# Altium PCB graviton.PcbDoc (part 14 of 15)
Units mm, origin at the board's own origin, x right, y up, seen from the top; angles counter-clockwise.
Board outline 200 x 200 mm, 10 copper layers (TOP, POLYGON1, S1, POLYGON2, POLYGON3, POLYGON4, POLYGON5, S2, POLYGON6, BOT), stack 1.751 mm thick; 1317 components, 712 nets, 5121 pads, 3994 vias.
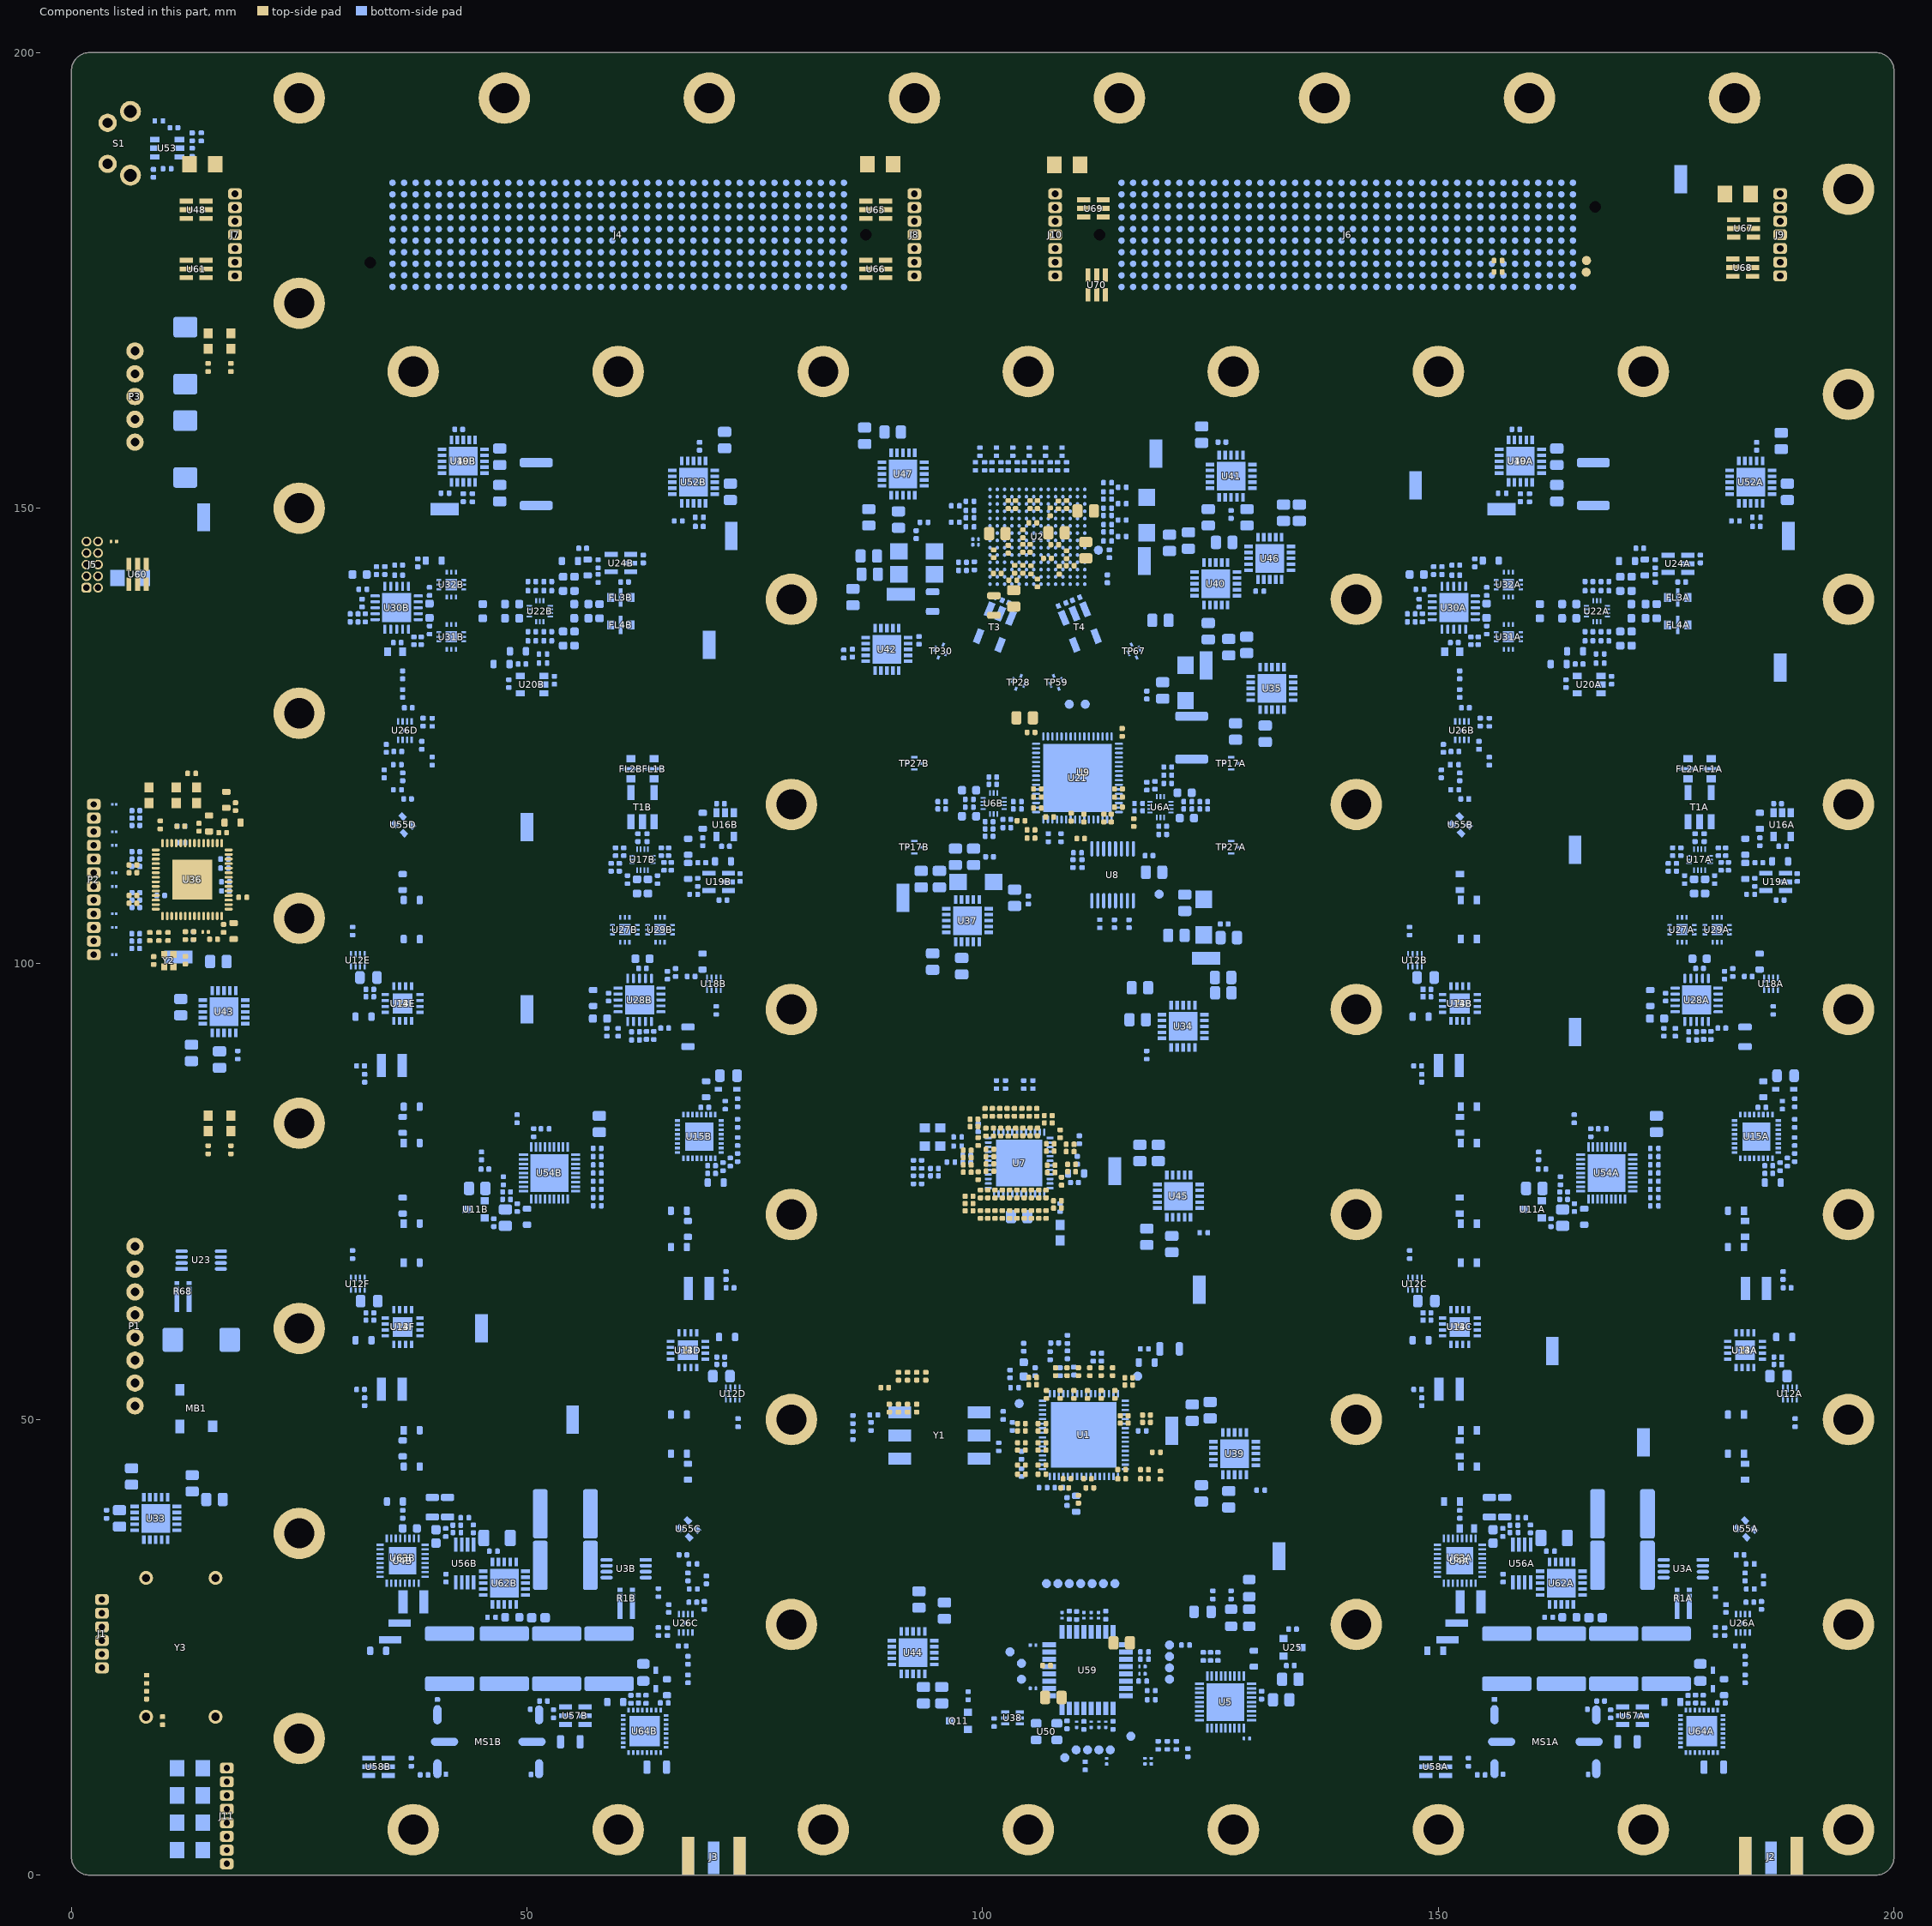
[diagram p22: the components of this part, seen from the top]

## Other copper (continued)
BOT:
  region net GND: 50.5,18 50.5,20 41.25,20 41.25,18
  region net GND: 40.9,11.2 40.9,10 50.5,10 50.5,11.2
  region net GND: 156.9,11.2 156.9,10 166.5,10 166.5,11.2
  region net GND: 166.5,18 166.5,20 157.25,20 157.25,18
  region net V5V5N: 12.5,161.25 12.5,163.5 5.75,163.5 5.75,161.25
  region net V5V5: 12.5,158.5 12.5,160.75 5.75,160.75 5.75,158.5
  region net V3V8_SNS: 12,58.75 12,60.75 10.25,60.75 10.25,58.75
  region net VCCB: 102,119.75 102,121.25 101.1,121.25 101.1,119.75
  region net VCCB: 103,118.75 103,119.75 101.1,119.75 101.1,118.75
  region net NetC494A_2: 170,30.7 170,31.4 167.6,31.4 167.6,30.7
  region net VCCA: 118.25,118.2 118.25,119.2 116.8,119.2 116.8,118.2
  region net VCCA: 119.1,118.2 119.1,119.5 117.75,119.5 117.75,118.2
  region net VCCA: 119.5,113.5 119.5,116.05 117.5,116.05 117.5,113.5
  region net VCCB: 102.7,113.5 102.7,116.45 101.6,116.45 101.6,113.5
  region net V2V5: 58.095,175.555 58.095,174.92 59.365,174.92 59.365,175.555
  region net V2V5: 59.365,176.825 59.365,177.46 58.095,177.46 58.095,176.825
  region net V2V5: 58.095,176.825 57.46,176.825 57.46,175.555 58.095,175.555
  region net V2V5: 58.73,176.825 58.095,176.825 58.095,175.555 58.73,175.555
  region net V2V5: 60,175.555 60,176.825 59.365,176.825 59.365,175.555
  region net V2V5: 59.365,176.825 58.73,176.825 58.73,175.555 59.365,175.555
  region net V2V5: 58.095,179.365 58.095,178.73 59.365,178.73 59.365,179.365
  region net V2V5: 59.365,180.635 59.365,181.27 58.095,181.27 58.095,180.635
  rectangle net V2V5: 59.365,179.365 60,180.635
  region net V2V5: 58.095,180.635 57.46,180.635 57.46,179.365 58.095,179.365
  region net V2V5: 59.365,179.365 59.365,180.635 58.095,180.635 58.095,179.365
  region net V2V5: 57.46,180.635 56.825,180.635 56.825,179.365 57.46,179.365
  region net V2V5: 56.825,180.635 56.19,180.635 56.19,179.365 56.825,179.365
  region net V2V5: 58.095,180.635 58.095,181.27 56.825,181.27 56.825,180.635
  region net V2V5: 56.825,179.365 56.825,178.73 58.095,178.73 58.095,179.365
  region net V2V5: 56.825,183.175 56.825,182.54 58.095,182.54 58.095,183.175
  region net V2V5: 58.095,184.445 58.095,185.08 56.825,185.08 56.825,184.445
  region net V2V5: 56.825,184.445 56.19,184.445 56.19,183.175 56.825,183.175
  region net V2V5: 57.46,184.445 56.825,184.445 56.825,183.175 57.46,183.175
  region net V2V5: 59.365,183.175 59.365,184.445 58.095,184.445 58.095,183.175
  region net V2V5: 58.095,184.445 57.46,184.445 57.46,183.175 58.095,183.175
  rectangle net V2V5: 59.365,183.175 60,184.445
  region net V2V5: 59.365,184.445 59.365,185.08 58.095,185.08 58.095,184.445
  region net V2V5: 58.095,183.175 58.095,182.54 59.365,182.54 59.365,183.175
  region net V1V8: 133.825,146.825 133.825,148 132.8,148 132.8,146.825
  region net V1V8: 133.825,147.5 133.825,149.5 130.375,149.5 130.375,147.5
  region net V1V8: 135.75,145.8 135.75,149.5 133.825,149.5 133.825,145.8
  region net V3V8: 129.5,145.8 129.5,146.825 128.5,146.825 128.5,145.8
  region net V3V8: 130.2,146.825 130.2,148.1 128.5,148.1 128.5,146.825
  rectangle net V48: 136.825,175.555 137.46,176.825
  region net V48: 134.285,176.825 133.65,176.825 133.65,175.555 134.285,175.555
  rectangle net V48: 136.825,179.365 137.46,180.635
  region net V48: 134.285,180.635 133.65,180.635 133.65,179.365 134.285,179.365
  region net V48: 134.285,183.175 134.285,182.54 135.555,182.54 135.555,183.175
  region net V48: 135.555,184.445 135.555,185.08 134.285,185.08 134.285,184.445
  rectangle net V48: 135.555,183.175 136.19,184.445
  region net V48: 134.285,184.445 133.65,184.445 133.65,183.175 134.285,183.175
  region net V48: 135.555,179.365 135.555,178.73 136.825,178.73 136.825,179.365
  region net V48: 134.285,179.365 134.285,178.73 135.555,178.73 135.555,179.365
  region net V48: 136.825,180.635 136.825,181.27 135.555,181.27 135.555,180.635
  region net V48: 135.555,180.635 135.555,181.27 134.285,181.27 134.285,180.635
  region net V48: 136.825,176.825 136.825,177.46 135.555,177.46 135.555,176.825
  region net V48: 135.555,176.825 135.555,177.46 134.285,177.46 134.285,176.825
  region net V48: 136.825,175.555 136.825,176.825 135.555,176.825 135.555,175.555
  region net V48: 135.555,175.555 135.555,176.825 134.285,176.825 134.285,175.555
  region net V48: 136.825,179.365 136.825,180.635 135.555,180.635 135.555,179.365
  region net V48: 135.555,179.365 135.555,180.635 134.285,180.635 134.285,179.365
  region net V48: 135.555,183.175 135.555,184.445 134.285,184.445 134.285,183.175
  region net GND: 144.445,183.175 144.445,184.445 143.175,184.445 143.175,183.175
  region net V1V8: 143.175,175.555 143.175,176.825 140.635,176.825 140.635,175.555
  region net V1V8: 143.175,179.365 143.175,180.635 140.635,180.635 140.635,179.365
  region net V1V8: 141.905,183.175 141.905,184.445 140.635,184.445 140.635,183.175
  region net V3V3-ETH: 9.5,107.2 9.5,108.2 8,108.2 8,107.2
  region net V1V2-A-DAC-CLK_29: 96.5,139.75 96.5,142.75 94.7,142.75 94.7,139.75
  region net V1V2-A-DAC-DAC_29: 97,145.25 97,147.5 94.7,147.5 94.7,145.25
  region net V1V2-A-DAC: 90.784,140.75 90.784,147 88.25,147 88.25,140.75
  region net V1V2-A-DAC: 90.784,136.832 90.784,138.5 90.134,138.5 90.134,136.832
  region net V1V2-D-DAC: 124.925,154.15 124.925,154.831 123.25,154.831 123.25,154.15
  rectangle net V1V2-A-DAC: 91.825,135.8 93.235,136.832
  rectangle net V1V2-A-DAC: 90.784,136.832 93.235,147
  rectangle net V3V8: 86.25,135.5 87.485,136.886
  rectangle net V3V8: 85.485,136.825 88.834,139.886
  region net V3V3-DAC-IO_29: 120,149.1 120,154 117,154 117,149.1
  region net V3V3-DAC: 119,145.451 119,146.5 116.75,146.5 116.75,145.451
  region net V3V8: 124.94,149.516 124.94,152.85 121.879,152.85 121.879,149.516
  region net V3V8: 126,150.75 126,151.516 124.879,151.516 124.879,150.75
  region net V1V2-D-DAC: 124.94,154.831 124.94,157.266 116.507,157.266 116.507,154.831
  region net V1V2-D-DAC: 125.965,155.856 125.965,157.266 124.725,157.266 124.725,155.856
  region net V3V3-DAC: 124.282,144.041 124.282,145.451 123.257,145.451 123.257,144.041
  region net V3V3-DAC: 123.257,143.016 123.257,145.451 115.275,145.451 115.275,143.016
  region net V3V8: 124.282,138.451 124.282,139.701 123.197,139.701 123.197,138.451
  region net V3V8: 123.257,137.701 123.257,140.416 120.197,140.416 120.197,137.701
  region net V1V8-A-ADC: 100.5,110.5 100.5,111.75 99.25,111.75 99.25,110.5
  region net V1V8-A-ADC: 99.25,108.5 99.25,111.75 96.25,111.75 96.25,108.5
  region net V3V3-ADC-FILT: 125.425,106.7 125.425,111.825 120.675,111.825 120.675,106.7
  rectangle net V3V3-ADC: 122,99.375 123.3,104.625
  region net V1V8-D-ADC-FILT: 124,125.6 124,129 114.1,129 114.1,125.6
  region net V1V8-AVDD_23: 106,107.25 106,110.75 101,110.75 101,107.25
  region net V3V8: 88.932,149 88.932,152.466 84.75,152.466 84.75,149
  region net V3V8: 89.957,150.501 89.957,151.751 88.872,151.751 88.872,150.501
  region net V2V5: 88.932,155.066 88.932,158.05 84.372,158.05 84.372,155.066
  region net V2V5: 89.957,156.091 89.957,158.05 88.932,158.05 88.932,156.091
  region net V3V8: 129.432,126.251 129.432,128.966 126.372,128.966 126.372,126.251
  region net V3V8: 130.457,127.001 130.457,128.251 129.372,128.251 129.372,127.001
  region net V1V8-D-ADC: 129.432,131.566 129.432,134.001 121,134.001 121,131.566
  region net V1V8-D-ADC: 130.457,132.591 130.457,134.001 129.432,134.001 129.432,132.591
  region net V3V8: 96.007,100.751 96.007,103.466 92.947,103.466 92.947,100.751
  region net V3V8: 97.032,101.501 97.032,102.751 95.947,102.751 95.947,101.501
  region net V1V8-A-ADC: 96.007,106.066 96.007,108.501 91.447,108.501 91.447,106.066
  region net V1V8-A-ADC: 97.032,107.091 97.032,108.501 95.5,108.501 95.5,107.091
  rectangle net V3V3-ADC: 124.325,94.425 125.735,95.45
  rectangle net V3V3-ADC: 123.3,95.45 126.25,104.625
  rectangle net V3V8: 118.735,94.425 119.985,95.511
  rectangle net V3V8: 117.985,95.45 120.7,98.511
  region net V3V3-SYNTH: 120.207,76.841 120.207,78.251 119.182,78.251 119.182,76.841
  region net V3V3-SYNTH: 119.182,75.816 119.182,78.251 114.622,78.251 114.622,75.816
  region net V3V8: 120.207,71.251 120.207,72.501 119.122,72.501 119.122,71.251
  region net V3V8: 119.182,70.501 119.182,73.216 116.122,73.216 116.122,70.501
  region net V3V3-SYNTH: 101.5,82 101.5,83 99,83 99,82
  region net V3V3-SYNTH: 104.385,73.25 104.385,74.761 103.615,74.761 103.615,73.25
  rectangle net V3V3-SYNTH: 99.104,77.761 100.615,78.531
  region net V3V3-SYNTH: 103.615,73.25 103.615,74.05 101,74.05 101,73.25
  region net V2V5: 18,108 18,111.5 17.33,111.5 17.33,108
  region net V3V8: 14.418,93.434 12.25,93.434 12.25,92.409 14.418,92.409
  region net V3V8: 15.443,92.409 12.25,92.409 12.25,91 15.443,91
  region net V3V3-ETH: 14.418,97.059 11.5,97.059 11.5,96.034 14.418,96.034
  region net V3V3-ETH: 15.443,100.75 11.5,100.75 11.5,97.059 15.443,97.059
  region net NetC543_2: 6.644,101.738 6.644,103.262 1.25,103.262 1.25,101.738
  region net NetC546_2: 6.644,106.238 6.644,107.762 1.25,107.762 1.25,106.238
  region net NetC549_2: 6.644,110.738 6.644,112.262 1.25,112.262 1.25,110.738
  region net NetC552_2: 6.644,115.238 6.644,116.762 1.25,116.762 1.25,115.238
  region net V5-OCXO: 12.5,31.25 12.5,35 6.25,35 6.25,31.25
  region net V5-OCXO: 15.75,33.75 15.75,40.5 12.5,40.5 12.5,33.75
  region net V5-OCXO: 15.75,40.5 15.75,41.475 11.5,41.475 11.5,40.5
  region net V5-OCXO: 15.75,41.475 15.75,42.25 10.55,42.25 10.55,41.475
  region net V5V5: 7.25,40.25 7.25,41.75 6.5,41.75 6.5,40.25
  region net V5V5: 7.95,41.475 7.95,43.75 1.25,43.75 1.25,41.475
  rectangle net GND: 72.115,3.75 74.16,10
  region net GND: 68.885,9 66.84,9 66.84,3.75 68.885,3.75
  region net GND: 180.5,145 180.5,146.5 180,146.5 180,145
  region net V2V5IF-TXA: 165.015,131.25 165.015,132.9 163.75,132.9 163.75,131.25
  rectangle net TI_VSSA: 167.7,135.535 167.9,137.55
  rectangle net TI_VCCA: 166.9,135.21 167.1,137.55
  region net GND: 158.19,134.53 158.19,142.97 157.19,142.97 157.19,134.53
  region net NetC368A_2: 154.75,135.93 154.75,136.715 152.99,136.715 152.99,135.93
  region net NetC368A_2: 154.9,142.775 154.9,143.95 152.35,143.95 152.35,142.775
  region net NetC368A_2: 149.33,136 149.33,137.925 147,137.925 147,136
  rectangle net GND: 152.615,139.725 154.05,140.375
  region net GND: 151.69,140 151.69,141.435 151.04,141.435 151.04,140
  region net GND: 151.69,136.715 151.69,138.5 150.39,138.5 150.39,136.715
  region net RI_VCCA: 177.8,111.35 177.8,111.85 176.6,111.85 176.6,111.35
  region net V2V5IF-RXA: 187.25,113.83 187.25,115.5 185.275,115.5 185.275,113.83
  region net V2V5NIF-RXA: 186.625,109.5 186.625,109.95 184.725,109.95 184.725,109.5
  region net V2V5NIF-RXA: 186.625,109.95 186.625,111.25 185.605,111.25 185.605,109.95
  region net NetR38A_1: 186,107.625 186,108.505 184.725,108.505 184.725,107.625
  region net GND: 181.955,103.25 181.955,104.25 175.375,104.25 175.375,103.25
  region net NetC355A_2: 181.325,97.075 181.325,97.5 180.25,97.5 180.25,97.075
  region net NetC355A_2: 183.57,97.5 183.57,98.62 180.25,98.62 180.25,97.5
  rectangle net R5A: 183.193,88.75 184.107,90.925
  rectangle net GND: 184.571,37.613 186,38.528
  region net GND: 182.871,38.387 181.971,38.387 181.971,37.472 182.871,37.472
  region net R3A: 184.107,72.912 183.193,72.912 183.193,71.794 184.107,71.794
  region net NetC257A_1: 184.78,59.503 184.78,60.163 182.52,60.163 182.52,59.503
  region net NetC256A_2: 182.761,55.693 182.761,55.033 184.107,55.033 184.107,55.693
  rectangle net NetC256A_2: 183.193,45.15 184.107,46.267
  rectangle net NetC257A_1: 183.193,68.926 184.107,70.044
  region net R3A: 183.193,75.25 183.193,72.912 184.107,72.912 184.107,75.25
  rectangle net NetC257A_1: 183.193,60.163 184.107,64.405
  rectangle net NetC256A_2: 183.193,46.267 184.107,50.537
  region net R2A: 184.107,43.4 183.193,43.4 183.193,39.75 184.107,39.75
  region net NetC256A_2: 184.107,55.693 183.193,55.693 183.193,50.537 184.107,50.537
  rectangle net NetC257A_1: 183.193,64.405 184.107,68.926
  region net NetC210A_2: 188.435,53 188.435,55.65 187.75,55.65 187.75,53
  region net GND: 190,39.75 190,49.575 185.275,49.575 185.275,39.75
  region net GND: 185.275,75.25 185.275,65.85 190,65.85 190,75.25
  region net GND: 185.275,53.65 185.275,49.575 187.4,49.575 187.4,53.65
  region net GND: 182.025,53.95 180,53.95 180,39.75 182.025,39.75
  region net GND: 180,91 180,61.244 182.025,61.244 182.025,91
  region net VCCA: 187.5,52.72 187.5,49.75 188.435,49.75 188.435,52.72
  region net GND: 188.35,65.85 188.35,57.15 190,57.15 190,65.85
  rectangle net GND: 189.05,52.95 190,55.75
  region net GND: 187.55,57.15 187.55,55.75 190,55.75 190,57.15
  region net GND: 181.745,58.69 181.745,56.506 182.95,56.506 182.95,58.69
  rectangle net GND: 153.271,114.863 154.171,115.778
  region net GND: 151.571,115.637 150.671,115.637 150.671,114.722 151.571,114.722
  region net T3A: 151.893,114.4 151.893,113.5 152.807,113.5 152.807,114.4
  region net T2A: 152.782,116.125 152.782,117 151.868,117 151.868,116.125
  region net NetC210B_2: 147.565,100.25 147.565,97.6 148.25,97.6 148.25,100.25
  rectangle net T4A: 151.893,80.338 152.807,81.456
  region net NetC257B_1: 151.22,93.747 151.22,93.087 153.48,93.087 153.48,93.747
  region net NetC256B_2: 153.239,97.557 153.239,98.217 151.893,98.217 151.893,97.557
  region net NetC256B_2: 152.807,108.1 151.893,108.1 151.893,106.983 152.807,106.983
  region net NetC257B_1: 152.807,84.324 151.893,84.324 151.893,83.206 152.807,83.206
  region net T4A: 152.807,78 152.807,80.338 151.893,80.338 151.893,78
  region net NetC257B_1: 152.807,93.087 151.893,93.087 151.893,88.845 152.807,88.845
  region net NetC256B_2: 152.807,106.983 151.893,106.983 151.893,102.713 152.807,102.713
  rectangle net T3A: 151.893,109.85 152.807,113.725
  rectangle net NetC256B_2: 151.893,98.217 152.807,102.713
  region net NetC257B_1: 152.807,88.845 151.893,88.845 151.893,84.324 152.807,84.324
  region net GND: 146,113.5 146,103.675 150.725,103.675 150.725,113.5
  region net GND: 150.725,78 150.725,87.4 146,87.4 146,78
  region net GND: 150.725,99.6 150.725,103.675 148.6,103.675 148.6,99.6
  rectangle net GND: 153.975,99.3 156,113.5
  region net GND: 156,78 156,92.006 153.975,92.006 153.975,78
  region net VCCA: 148.5,100.53 148.5,103.5 147.565,103.5 147.565,100.53
  region net GND: 147.65,87.4 147.65,96.1 146,96.1 146,87.4
  region net GND: 146.95,100.3 146,100.3 146,97.5 146.95,97.5
  region net GND: 148.45,96.1 148.45,97.5 146,97.5 146,96.1
  region net GND: 154.255,94.56 154.255,96.744 153.05,96.744 153.05,94.56
  region net GND: 154.255,59.06 154.255,61.244 153.05,61.244 153.05,59.06
  region net GND: 150.725,63.8 150.725,68.175 148.6,68.175 148.6,63.8
  region net GND: 147.65,51.9 147.65,60.6 146,60.6 146,51.9
  region net GND: 146.95,64.8 146,64.8 146,62 146.95,62
  region net NetC210C_2: 147.565,64.75 147.565,62.1 148.25,62.1 148.25,64.75
  region net GND: 148.45,60.6 148.45,62 146,62 146,60.6
  region net GND: 146,78 146,68.175 150.725,68.175 150.725,78
  rectangle net GND: 153.975,63.8 156,78
  region net GND: 150.725,42.5 150.725,51.9 146,51.9 146,42.5
  region net GND: 156,42.5 156,56.506 153.975,56.506 153.975,42.5
  region net R2A: 184.107,38.875 184.107,39.75 183.193,39.75 183.193,38.875
  region net NetC256C_2: 152.807,71.483 151.893,71.483 151.893,67.213 152.807,67.213
  rectangle net T4A: 151.893,74.35 152.807,78
  region net NetC256C_2: 152.807,72.6 151.893,72.6 151.893,71.483 152.807,71.483
  region net NetC256C_2: 153.239,62.057 153.239,62.717 151.893,62.717 151.893,62.057
  rectangle net NetC256C_2: 151.893,62.717 152.807,67.213
  region net NetC257C_1: 151.22,58.247 151.22,57.587 153.48,57.587 153.48,58.247
  region net NetC257C_1: 152.807,57.587 151.893,57.587 151.893,53.345 152.807,53.345
  region net NetC257C_1: 152.807,53.345 151.893,53.345 151.893,48.824 152.807,48.824
  rectangle net GND: 176.57,12.757 177.693,14.038
  rectangle net GND: 176.57,15.038 178.37,16.4
  region net GND: 181.23,17.538 178,17.538 178,15.038 181.23,15.038
  region net GND: 180.65,13.457 180.65,15.257 179.65,15.257 179.65,13.457
  region net GND: 178.65,13.457 178.65,15.257 177.15,15.257 177.15,13.457
  region net V28A: 157.75,23.925 157.75,31.27 154.75,31.27 154.75,23.925
  region net V2V5NIF-TXA: 172.1,146 172.1,143.9 176.2,143.9 176.2,146
  region net NetR117A_1: 173.8,143.5 173.8,142.6 175.4,142.6 175.4,143.5
  region net VCCA: 148.5,65.03 148.5,68 147.565,68 147.565,65.03
  region net RI_VSSA: 177.515,110.947 177.515,111.147 175.175,111.147 175.175,110.947
  region net RI_VCCA: 177.515,111.747 177.515,111.947 175.5,111.947 175.5,111.747
  rectangle net VCCA: 155.1,148.65 169.9,151.075
  rectangle net V5V5: 160.7,155.45 165,158.65
  rectangle net V5V5: 159.3,156.85 160.7,158.65
  rectangle net VCCA: 160.475,150.55 162,153.15
  rectangle net VCCA: 161,152.9 162,154.5
  region net NetC464A_2: 184.5,147.5 184.5,149.5 183,149.5 183,147.5
  region net NetC206A_2: 186.275,99.5 184,99.5 184,98.095 186.275,98.095
  region net NetC355A_2: 175.25,97.9 172.65,97.9 172.65,96.35 175.25,96.35
  region net GND: 181.525,112.35 181.525,112.85 179.265,112.85 179.265,112.35
  region net RI_VCCA: 181.725,111.747 181.725,111.947 179.815,111.947 179.815,111.747
  region net RI_VSSA: 182.025,110.947 182.025,111.147 179.815,111.147 179.815,110.947
  region net GND: 178.065,112.35 178.065,112.85 175.805,112.85 175.805,112.35
  region net RI_VSSA: 184.745,110.7 184.745,111.447 180.3,111.447 180.3,110.7
  region net RI_VCCA: 183.7,111.6 183.7,112.247 180.225,112.247 180.225,111.6
  region net GND: 177.7,98.45 177.04,98.45 177.04,96.55 177.7,96.55
  region net GND: 180.7,94.74 180.7,96.04 178.8,96.04 178.8,94.74
  region net GND: 182.975,120.975 182.975,121.85 173.975,121.85 173.975,120.975
  region net NetC257C_1: 152.807,48.824 151.893,48.824 151.893,47.706 152.807,47.706
  region net GND: 181.91,29.01 181.91,26.3 182.79,26.3 182.79,29.01
  region net GND: 185.8,33.85 185.8,34.45 184.655,34.45 184.655,33.85
  region net GND: 184.03,29.01 184.03,26.25 185.275,26.25 185.275,29.01
  region net VCCA: 186.25,29.65 186.25,32 184.7,32 184.7,29.65
  rectangle net GND: 185.275,20 190,29.55
  rectangle net R1A: 183.193,32.75 184.107,36.25
  region net R3A: 184.107,77.793 183.193,77.793 183.193,74.975 184.107,74.975
  region net R1A: 184.107,37.25 183.193,37.25 183.193,36.25 184.107,36.25
  region net GND: 182.035,36.25 181,36.25 181,30.25 182.035,30.25
  rectangle net GND: 185.275,32.425 190,40.5
  region net GND: 181.535,35.45 181.535,34.85 182.68,34.85 182.68,35.45
  region net GND: 190,29.01 190,32.5 186.5,32.5 186.5,29.01
  region net GND: 182,27 182,29 181,29 181,27
  region net GND: 181,28.5 181,29 180,29 180,28.5
  region net GND: 181,32.75 181,36.25 180,36.25 180,32.75
  region net GND: 154.465,117.8 154.465,118.4 153.32,118.4 153.32,117.8
  rectangle net GND: 153.965,117 155,123
  region net GND: 154,126.25 154,124.25 155,124.25 155,126.25
  region net GND: 154.09,124.24 154.09,126.95 153.21,126.95 153.21,124.24
  region net GND: 155,124.75 155,124.25 156,124.25 156,124.75
  region net GND: 150.2,119.4 150.2,118.8 151.345,118.8 151.345,119.4
  region net GND: 155,120.5 155,117 156,117 156,120.5
  region net VCCA: 149.75,123.6 149.75,121.25 151.3,121.25 151.3,123.6